# KiCad board poly_kb_molecule_16x5.kicad_pcb (continued)
## Placement (name value [footprint] x y rotation side) (continued)
kibuzzard-61EFD908#2  G***  [kibuzzard-61EFD908]  2.41 77.7 0 top
kibuzzard-61EFD908#3  G***  [kibuzzard-61EFD908]  192.91 77.7 0 top
kibuzzard-61EFD908#4  G***  [kibuzzard-61EFD908]  269.11 77.7 0 top
kibuzzard-61EFD908#5  G***  [kibuzzard-61EFD908]  35.69 20.55 0 top
kibuzzard-61EFD908#6  G***  [kibuzzard-61EFD908]  111.89 58.65 0 top
kibuzzard-61EFD908#7  G***  [kibuzzard-61EFD908]  288.16 20.55 0 top
kibuzzard-61EFD908#8  G***  [kibuzzard-61EFD908]  188.09 58.65 0 top
kibuzzard-61EFD908#9  G***  [kibuzzard-61EFD908]  188.09 39.6 0 top
kibuzzard-61EFD908#10  G***  [kibuzzard-61EFD908]  264.29 20.55 0 top
kibuzzard-61EFD908#11  G***  [kibuzzard-61EFD908]  135.76 20.55 0 top
kibuzzard-61EFD908#12  G***  [kibuzzard-61EFD908]  73.79 58.65 0 top
kibuzzard-61EFD908#13  G***  [kibuzzard-61EFD908]  97.66 1.5 0 top
kibuzzard-61EFD908#14  G***  [kibuzzard-61EFD908]  130.94 1.5 0 top
kibuzzard-61EFD908#15  G***  [kibuzzard-61EFD908]  226.19 1.5 0 top
kibuzzard-61EFD908#16  G***  [kibuzzard-61EFD908]  154.81 1.5 0 top
kibuzzard-61EFD908#17  G***  [kibuzzard-61EFD908]  231.01 1.5 0 top
kibuzzard-61EFD908#18  G***  [kibuzzard-61EFD908]  35.69 77.7 0 top
kibuzzard-61EFD908#19  G***  [kibuzzard-61EFD908]  169.04 77.7 0 top
kibuzzard-61EFD908#20  G***  [kibuzzard-61EFD908]  92.84 39.6 0 top
kibuzzard-61EFD908#21  G***  [kibuzzard-61EFD908]  283.34 58.65 0 top
kibuzzard-61EFD908#22  G***  [kibuzzard-61EFD908]  135.76 58.65 0 top
kibuzzard-61EFD908#23  G***  [kibuzzard-61EFD908]  116.71 1.5 0 top
kibuzzard-61EFD908#24  G***  [kibuzzard-61EFD908]  211.96 1.5 0 top
kibuzzard-61EFD908#25  G***  [kibuzzard-61EFD908]  245.24 1.5 0 top
kibuzzard-61EFD908#26  G***  [kibuzzard-61EFD908]  188.09 1.5 0 top
kibuzzard-61EFD908#27  G***  [kibuzzard-61EFD908]  35.69 39.6 0 top
kibuzzard-61EFD908#28  G***  [kibuzzard-61EFD908]  269.11 39.6 0 top
kibuzzard-61EFD908#29  G***  [kibuzzard-61EFD908]  130.94 77.7 0 top
kibuzzard-61EFD908#30  G***  [kibuzzard-61EFD908]  54.74 20.55 0 top
kibuzzard-61EFD908#31  G***  [kibuzzard-61EFD908]  116.71 58.65 0 top
kibuzzard-61EFD908#32  G***  [kibuzzard-61EFD908]  283.34 1.5 0 top
kibuzzard-61EFD908#33  G***  [kibuzzard-61EFD908]  149.99 77.7 0 top
kibuzzard-61EFD908#34  G***  [kibuzzard-61EFD908]  245.24 58.65 0 top
kibuzzard-61EFD908#35  G***  [kibuzzard-61EFD908]  40.51 77.7 0 top
kibuzzard-61EFD908#36  G***  [kibuzzard-61EFD908]  154.81 58.65 0 top
kibuzzard-61EFD908#37  G***  [kibuzzard-61EFD908]  116.71 20.55 0 top
kibuzzard-61EFD908#38  G***  [kibuzzard-61EFD908]  111.89 39.6 0 top
kibuzzard-61EFD908#39  G***  [kibuzzard-61EFD908]  54.74 39.6 0 top
kibuzzard-61EFD908#40  G***  [kibuzzard-61EFD908]  192.91 20.55 0 top
kibuzzard-61EFD908#41  G***  [kibuzzard-61EFD908]  149.99 39.6 0 top
kibuzzard-61EFD908#42  G***  [kibuzzard-61EFD908]  154.81 20.55 0 top
kibuzzard-61EFD908#43  G***  [kibuzzard-61EFD908]  73.79 77.7 0 top
kibuzzard-61EFD908#44  G***  [kibuzzard-61EFD908]  130.94 58.65 0 top
kibuzzard-61EFD908#45  G***  [kibuzzard-61EFD908]  35.69 1.5 0 top
kibuzzard-61EFD908#46  G***  [kibuzzard-61EFD908]  40.51 39.6 0 top
kibuzzard-61EFD908#47  G***  [kibuzzard-61EFD908]  59.56 58.65 0 top
kibuzzard-61EFD908#48  G***  [kibuzzard-61EFD908]  40.51 20.55 0 top
kibuzzard-61EFD908#49  G***  [kibuzzard-61EFD908]  78.61 39.6 0 top
kibuzzard-61EFD908#50  G***  [kibuzzard-61EFD908]  288.16 1.5 0 top
kibuzzard-61EFD908#51  G***  [kibuzzard-61EFD908]  73.79 20.55 0 top
kibuzzard-61EFD908#52  G***  [kibuzzard-61EFD908]  173.86 77.7 0 top
kibuzzard-61EFD908#53  G***  [kibuzzard-61EFD908]  154.81 77.7 0 top
kibuzzard-61EFD908#54  G***  [kibuzzard-61EFD908]  135.76 77.7 0 top
kibuzzard-61EFD908#55  G***  [kibuzzard-61EFD908]  302.39 58.65 0 top
kibuzzard-61EFD908#56  G***  [kibuzzard-61EFD908]  231.01 39.6 0 top
kibuzzard-61EFD908#57  G***  [kibuzzard-61EFD908]  73.79 1.5 0 top
kibuzzard-61EFD908#58  G***  [kibuzzard-61EFD908]  173.86 1.5 0 top
kibuzzard-61EFD908#59  G***  [kibuzzard-61EFD908]  111.89 77.7 0 top
kibuzzard-61EFD908#60  G***  [kibuzzard-61EFD908]  169.04 39.6 0 top
kibuzzard-61EFD908#61  G***  [kibuzzard-61EFD908]  21.46 1.5 0 top
kibuzzard-61EFD908#62  G***  [kibuzzard-61EFD908]  288.16 58.65 0 top
kibuzzard-61EFD908#63  G***  [kibuzzard-61EFD908]  16.64 58.65 0 top
kibuzzard-61EFD908#64  G***  [kibuzzard-61EFD908]  302.39 20.55 0 top
kibuzzard-61EFD908#65  G***  [kibuzzard-61EFD908]  16.64 1.5 0 top
kibuzzard-61EFD908#66  G***  [kibuzzard-61EFD908]  149.99 1.5 0 top
kibuzzard-61EFD908#67  G***  [kibuzzard-61EFD908]  169.04 1.5 0 top
kibuzzard-61EFD908#68  G***  [kibuzzard-61EFD908]  264.29 77.7 0 top
kibuzzard-61EFD908#69  G***  [kibuzzard-61EFD908]  211.96 20.55 0 top
kibuzzard-61EFD908#70  G***  [kibuzzard-61EFD908]  116.71 77.7 0 top
kibuzzard-61EFD908#71  G***  [kibuzzard-61EFD908]  78.61 58.65 0 top
kibuzzard-61EFD908#72  G***  [kibuzzard-61EFD908]  302.39 39.6 0 top
kibuzzard-61EFD908#73  G***  [kibuzzard-61EFD908]  149.99 58.65 0 top
kibuzzard-61EFD908#74  G***  [kibuzzard-61EFD908]  116.71 39.6 0 top
kibuzzard-61EFD908#75  G***  [kibuzzard-61EFD908]  40.51 58.65 0 top
kibuzzard-61EFD908#76  G***  [kibuzzard-61EFD908]  78.61 1.5 0 top
kibuzzard-61EFD908#77  G***  [kibuzzard-61EFD908]  92.84 58.65 0 top
kibuzzard-61EFD908#78  G***  [kibuzzard-61EFD908]  250.06 58.65 0 top
kibuzzard-61EFD908#79  G***  [kibuzzard-61EFD908]  78.61 77.7 0 top
kibuzzard-61EFD908#80  G***  [kibuzzard-61EFD908]  2.41 20.55 0 top
kibuzzard-61EFD908#81  G***  [kibuzzard-61EFD908]  192.91 58.65 0 top
kibuzzard-61EFD908#82  G***  [kibuzzard-61EFD908]  231.01 20.55 0 top
kibuzzard-61EFD908#83  G***  [kibuzzard-61EFD908]  2.41 39.6 0 top
kibuzzard-61EFD908#84  G***  [kibuzzard-61EFD908]  207.14 1.5 0 top
kibuzzard-61EFD908#85  G***  [kibuzzard-61EFD908]  250.06 39.6 0 top
kibuzzard-61EFD908#86  G***  [kibuzzard-61EFD908]  173.86 58.65 0 top
kibuzzard-61EFD908#87  G***  [kibuzzard-61EFD908]  188.09 77.7 0 top
kibuzzard-61EFD908#88  G***  [kibuzzard-61EFD908]  173.86 20.55 0 top
kibuzzard-61EFD908#89  G***  [kibuzzard-61EFD908]  92.84 77.7 0 top
kibuzzard-61EFD908#90  G***  [kibuzzard-61EFD908]  264.29 39.6 0 top
kibuzzard-61EFD908#91  G***  [kibuzzard-61EFD908]  302.39 77.7 0 top
kibuzzard-61EFD908#92  G***  [kibuzzard-61EFD908]  78.61 20.55 0 top
kibuzzard-61EFD908#93  G***  [kibuzzard-61EFD908]  149.99 20.55 0 top
kibuzzard-61EFD908#94  G***  [kibuzzard-61EFD908]  245.24 39.6 0 top
kibuzzard-61EFD908#95  G***  [kibuzzard-61EFD908]  211.96 58.65 0 top
kibuzzard-61EFD908#96  G***  [kibuzzard-61EFD908]  173.86 39.6 0 top
kibuzzard-61EFD908#97  G***  [kibuzzard-61EFD908]  59.56 1.5 0 top
kibuzzard-61EFD908#98  G***  [kibuzzard-61EFD908]  207.14 77.7 0 top
kibuzzard-61EFD908#99  G***  [kibuzzard-61EFD908]  169.04 58.65 0 top
kibuzzard-61EFD908#100  G***  [kibuzzard-61EFD908]  245.24 20.55 0 top
kibuzzard-61EFD908#101  G***  [kibuzzard-61EFD908]  264.29 58.65 0 top
kibuzzard-61EFD908#102  G***  [kibuzzard-61EFD908]  111.89 20.55 0 top
kibuzzard-61EFD908#103  G***  [kibuzzard-61EFD908]  54.74 58.65 0 top
kibuzzard-61EFD908#104  G***  [kibuzzard-61EFD908]  283.34 77.7 0 top
kibuzzard-61EFD908#105  G***  [kibuzzard-61EFD908]  226.19 20.55 0 top
kibuzzard-61EFD908#106  G***  [kibuzzard-61EFD908]  226.19 39.6 0 top
kibuzzard-61EFD908#107  G***  [kibuzzard-61EFD908]  250.06 1.5 0 top
kibuzzard-61EFD908#108  G***  [kibuzzard-61EFD908]  21.46 39.6 0 top
kibuzzard-61EFD908#109  G***  [kibuzzard-61EFD908]  135.76 1.5 0 top
kibuzzard-61EFD908#110  G***  [kibuzzard-61EFD908]  207.14 58.65 0 top
kibuzzard-61EFD908#111  G***  [kibuzzard-61EFD908]  130.94 20.55 0 top
kibuzzard-61EFD908#112  G***  [kibuzzard-61EFD908]  226.19 77.7 0 top
kibuzzard-61EFD908#113  G***  [kibuzzard-61EFD908]  21.46 58.65 0 top
kibuzzard-61EFD908#114  G***  [kibuzzard-61EFD908]  16.64 20.55 0 top
kibuzzard-61EFD908#115  G***  [kibuzzard-61EFD908]  16.64 77.7 0 top
kibuzzard-61EFD908#116  G***  [kibuzzard-61EFD908]  40.51 1.5 0 top
kibuzzard-61EFD908#117  G***  [kibuzzard-61EFD908]  211.96 77.7 0 top
kibuzzard-61EFD908#118  G***  [kibuzzard-61EFD908]  269.11 58.65 0 top
kibuzzard-61EFD908#119  G***  [kibuzzard-61EFD908]  288.16 39.6 0 top
kibuzzard-61EFD908#120  G***  [kibuzzard-61EFD908]  92.84 20.55 0 top
kibuzzard-61EFD908#121  G***  [kibuzzard-61EFD908]  21.46 20.55 0 top
kibuzzard-61EFD908#122  G***  [kibuzzard-61EFD908]  2.41 58.65 0 top
kibuzzard-61EFD908#123  G***  [kibuzzard-61EFD908]  250.06 20.55 0 top
kibuzzard-61EFD908#124  G***  [kibuzzard-61EFD908]  97.66 20.55 0 top
kibuzzard-61EFD908#125  G***  [kibuzzard-61EFD908]  231.01 77.7 0 top
kibuzzard-61EFD908#126  G***  [kibuzzard-61EFD908]  59.56 39.6 0 top
kibuzzard-61EFD908#127  G***  [kibuzzard-61EFD908]  16.64 39.6 0 top
kibuzzard-61EFD908#128  G***  [kibuzzard-61EFD908]  21.46 77.7 0 top
kibuzzard-61EFD908#129  G***  [kibuzzard-61EFD908]  192.91 39.6 0 top
kibuzzard-61EFD908#130  G***  [kibuzzard-61EFD908]  111.89 1.5 0 top
kibuzzard-61EFD908#131  G***  [kibuzzard-61EFD908]  231.01 58.65 0 top
kibuzzard-61EFD908#132  G***  [kibuzzard-61EFD908]  54.74 1.5 0 top
kibuzzard-61EFD908#133  G***  [kibuzzard-61EFD908]  283.34 20.55 0 top
kibuzzard-61EFD908#134  G***  [kibuzzard-61EFD908]  54.74 77.7 0 top
kibuzzard-61EFD908#135  G***  [kibuzzard-61EFD908]  35.69 58.65 0 top
kibuzzard-61EFD908#136  G***  [kibuzzard-61EFD908]  207.14 20.55 0 top
kibuzzard-61EFD908#137  G***  [kibuzzard-61EFD908]  135.76 39.6 0 top
kibuzzard-61EFD908#138  G***  [kibuzzard-61EFD908]  97.66 77.7 0 top
kibuzzard-61EFD908#139  G***  [kibuzzard-61EFD908]  207.14 39.6 0 top
kibuzzard-61EFD908#140  G***  [kibuzzard-61EFD908]  169.04 20.55 0 top
kibuzzard-61EFD908#141  G***  [kibuzzard-61EFD908]  59.56 77.7 0 top
kibuzzard-61EFD908#142  G***  [kibuzzard-61EFD908]  73.79 39.6 0 top
kibuzzard-61EFD908#143  G***  [kibuzzard-61EFD908]  269.11 1.5 0 top
kibuzzard-61EFD908#144  G***  [kibuzzard-61EFD908]  2.41 1.5 0 top
kibuzzard-61EFD908#145  G***  [kibuzzard-61EFD908]  264.29 1.5 0 top
kibuzzard-61EFD908#146  G***  [kibuzzard-61EFD908]  250.06 77.7 0 top
kibuzzard-61EFD908#147  G***  [kibuzzard-61EFD908]  288.16 77.7 0 top
kibuzzard-61EFD908#148  G***  [kibuzzard-61EFD908]  188.09 20.55 0 top
kibuzzard-61EFD908#149  G***  [kibuzzard-61EFD908]  245.24 77.7 0 top
kibuzzard-61EFD908#150  G***  [kibuzzard-61EFD908]  92.84 1.5 0 top
kibuzzard-61EFD908#151  G***  [kibuzzard-61EFD908]  283.34 39.6 0 top
kibuzzard-61EFD908#152  G***  [kibuzzard-61EFD908]  130.94 39.6 0 top
kibuzzard-61EFD908#153  G***  [kibuzzard-61EFD908]  269.11 20.55 0 top
kibuzzard-61EFD908#154  G***  [kibuzzard-61EFD908]  211.96 39.6 0 top
kibuzzard-61EFD908#155  G***  [kibuzzard-61EFD908]  302.39 1.5 0 top
kibuzzard-61EFD908#156  G***  [kibuzzard-61EFD908]  192.91 1.5 0 top
kibuzzard-61EFD908#157  G***  [kibuzzard-61EFD908]  97.66 58.65 0 top
kibuzzard-61EFD908#158  G***  [kibuzzard-61EFD908]  59.56 20.55 0 top
kibuzzard-61EFD908#159  G***  [kibuzzard-61EFD908]  154.81 39.6 0 top
kibuzzard-61EFD908#160  G***  [kibuzzard-61EFD908]  97.66 39.6 0 top
kibuzzard-61EFD947  G***  [kibuzzard-61EFD947]  250.06 74.7 0 top
kibuzzard-61EFD947#2  G***  [kibuzzard-61EFD947]  188.09 55.65 0 top
kibuzzard-61EFD947#3  G***  [kibuzzard-61EFD947]  35.69 36.6 0 top
kibuzzard-61EFD947#4  G***  [kibuzzard-61EFD947]  97.66 36.6 0 top
kibuzzard-61EFD947#5  G***  [kibuzzard-61EFD947]  116.71 17.55 0 top
kibuzzard-61EFD947#6  G***  [kibuzzard-61EFD947]  207.14 93.75 0 top
kibuzzard-61EFD947#7  G***  [kibuzzard-61EFD947]  283.34 93.75 0 top
kibuzzard-61EFD947#8  G***  [kibuzzard-61EFD947]  231.01 36.6 0 top
kibuzzard-61EFD947#9  G***  [kibuzzard-61EFD947]  211.96 55.65 0 top
kibuzzard-61EFD947#10  G***  [kibuzzard-61EFD947]  111.89 74.7 0 top
kibuzzard-61EFD947#11  G***  [kibuzzard-61EFD947]  226.19 74.7 0 top
kibuzzard-61EFD947#12  G***  [kibuzzard-61EFD947]  16.64 36.6 0 top
kibuzzard-61EFD947#13  G***  [kibuzzard-61EFD947]  226.19 36.6 0 top
kibuzzard-61EFD947#14  G***  [kibuzzard-61EFD947]  231.01 74.7 0 top
kibuzzard-61EFD947#15  G***  [kibuzzard-61EFD947]  173.86 93.75 0 top
kibuzzard-61EFD947#16  G***  [kibuzzard-61EFD947]  245.24 17.55 0 top
kibuzzard-61EFD947#17  G***  [kibuzzard-61EFD947]  269.11 93.75 0 top
kibuzzard-61EFD947#18  G***  [kibuzzard-61EFD947]  283.34 36.6 0 top
kibuzzard-61EFD947#19  G***  [kibuzzard-61EFD947]  40.51 17.55 0 top
kibuzzard-61EFD947#20  G***  [kibuzzard-61EFD947]  130.94 17.55 0 top
kibuzzard-61EFD947#21  G***  [kibuzzard-61EFD947]  78.61 36.6 0 top
kibuzzard-61EFD947#22  G***  [kibuzzard-61EFD947]  154.81 17.55 0 top
kibuzzard-61EFD947#23  G***  [kibuzzard-61EFD947]  78.61 74.7 0 top
kibuzzard-61EFD947#24  G***  [kibuzzard-61EFD947]  154.81 36.6 0 top
kibuzzard-61EFD947#25  G***  [kibuzzard-61EFD947]  111.89 55.65 0 top
kibuzzard-61EFD947#26  G***  [kibuzzard-61EFD947]  226.19 17.55 0 top
kibuzzard-61EFD947#27  G***  [kibuzzard-61EFD947]  40.51 36.6 0 top
kibuzzard-61EFD947#28  G***  [kibuzzard-61EFD947]  59.56 93.75 0 top
kibuzzard-61EFD947#29  G***  [kibuzzard-61EFD947]  226.19 93.75 0 top
kibuzzard-61EFD947#30  G***  [kibuzzard-61EFD947]  135.76 17.55 0 top
kibuzzard-61EFD947#31  G***  [kibuzzard-61EFD947]  245.24 93.75 0 top
kibuzzard-61EFD947#32  G***  [kibuzzard-61EFD947]  269.11 17.55 0 top
kibuzzard-61EFD947#33  G***  [kibuzzard-61EFD947]  169.04 17.55 0 top
kibuzzard-61EFD947#34  G***  [kibuzzard-61EFD947]  302.39 17.55 0 top
kibuzzard-61EFD947#35  G***  [kibuzzard-61EFD947]  192.91 93.75 0 top
kibuzzard-61EFD947#36  G***  [kibuzzard-61EFD947]  54.74 17.55 0 top
kibuzzard-61EFD947#37  G***  [kibuzzard-61EFD947]  288.16 17.55 0 top
kibuzzard-61EFD947#38  G***  [kibuzzard-61EFD947]  269.11 55.65 0 top
kibuzzard-61EFD947#39  G***  [kibuzzard-61EFD947]  35.69 55.65 0 top
kibuzzard-61EFD947#40  G***  [kibuzzard-61EFD947]  78.61 17.55 0 top
kibuzzard-61EFD947#41  G***  [kibuzzard-61EFD947]  40.51 93.75 0 top
kibuzzard-61EFD947#42  G***  [kibuzzard-61EFD947]  149.99 36.6 0 top
kibuzzard-61EFD947#43  G***  [kibuzzard-61EFD947]  78.61 93.75 0 top
kibuzzard-61EFD947#44  G***  [kibuzzard-61EFD947]  59.56 55.65 0 top
kibuzzard-61EFD947#45  G***  [kibuzzard-61EFD947]  192.91 74.7 0 top
kibuzzard-61EFD947#46  G***  [kibuzzard-61EFD947]  116.71 93.75 0 top
kibuzzard-61EFD947#47  G***  [kibuzzard-61EFD947]  302.39 93.75 0 top
kibuzzard-61EFD947#48  G***  [kibuzzard-61EFD947]  40.51 74.7 0 top
kibuzzard-61EFD947#49  G***  [kibuzzard-61EFD947]  97.66 93.75 0 top
kibuzzard-61EFD947#50  G***  [kibuzzard-61EFD947]  231.01 17.55 0 top
kibuzzard-61EFD947#51  G***  [kibuzzard-61EFD947]  188.09 36.6 0 top
kibuzzard-61EFD947#52  G***  [kibuzzard-61EFD947]  264.29 93.75 0 top
kibuzzard-61EFD947#53  G***  [kibuzzard-61EFD947]  154.81 93.75 0 top
kibuzzard-61EFD947#54  G***  [kibuzzard-61EFD947]  288.16 74.7 0 top
kibuzzard-61EFD947#55  G***  [kibuzzard-61EFD947]  2.41 36.6 0 top
kibuzzard-61EFD947#56  G***  [kibuzzard-61EFD947]  250.06 36.6 0 top
kibuzzard-61EFD947#57  G***  [kibuzzard-61EFD947]  288.16 36.6 0 top
kibuzzard-61EFD947#58  G***  [kibuzzard-61EFD947]  302.39 55.65 0 top
kibuzzard-61EFD947#59  G***  [kibuzzard-61EFD947]  21.46 17.55 0 top
kibuzzard-61EFD947#60  G***  [kibuzzard-61EFD947]  188.09 17.55 0 top
kibuzzard-61EFD947#61  G***  [kibuzzard-61EFD947]  16.64 55.65 0 top
kibuzzard-61EFD947#62  G***  [kibuzzard-61EFD947]  73.79 17.55 0 top
kibuzzard-61EFD947#63  G***  [kibuzzard-61EFD947]  21.46 36.6 0 top
kibuzzard-61EFD947#64  G***  [kibuzzard-61EFD947]  16.64 74.7 0 top
kibuzzard-61EFD947#65  G***  [kibuzzard-61EFD947]  78.61 55.65 0 top
kibuzzard-61EFD947#66  G***  [kibuzzard-61EFD947]  135.76 55.65 0 top
kibuzzard-61EFD947#67  G***  [kibuzzard-61EFD947]  35.69 93.75 0 top
kibuzzard-61EFD947#68  G***  [kibuzzard-61EFD947]  130.94 55.65 0 top
kibuzzard-61EFD947#69  G***  [kibuzzard-61EFD947]  211.96 74.7 0 top
kibuzzard-61EFD947#70  G***  [kibuzzard-61EFD947]  59.56 17.55 0 top
kibuzzard-61EFD947#71  G***  [kibuzzard-61EFD947]  16.64 93.75 0 top
kibuzzard-61EFD947#72  G***  [kibuzzard-61EFD947]  245.24 74.7 0 top
kibuzzard-61EFD947#73  G***  [kibuzzard-61EFD947]  97.66 74.7 0 top
kibuzzard-61EFD947#74  G***  [kibuzzard-61EFD947]  73.79 36.6 0 top
kibuzzard-61EFD947#75  G***  [kibuzzard-61EFD947]  130.94 93.75 0 top
kibuzzard-61EFD947#76  G***  [kibuzzard-61EFD947]  40.51 55.65 0 top
kibuzzard-61EFD947#77  G***  [kibuzzard-61EFD947]  21.46 74.7 0 top
kibuzzard-61EFD947#78  G***  [kibuzzard-61EFD947]  92.84 74.7 0 top
kibuzzard-61EFD947#79  G***  [kibuzzard-61EFD947]  192.91 17.55 0 top
kibuzzard-61EFD947#80  G***  [kibuzzard-61EFD947]  302.39 36.6 0 top
kibuzzard-61EFD947#81  G***  [kibuzzard-61EFD947]  111.89 93.75 0 top
kibuzzard-61EFD947#82  G***  [kibuzzard-61EFD947]  188.09 93.75 0 top
kibuzzard-61EFD947#83  G***  [kibuzzard-61EFD947]  16.64 17.55 0 top
kibuzzard-61EFD947#84  G***  [kibuzzard-61EFD947]  264.29 36.6 0 top
kibuzzard-61EFD947#85  G***  [kibuzzard-61EFD947]  169.04 36.6 0 top
kibuzzard-61EFD947#86  G***  [kibuzzard-61EFD947]  288.16 93.75 0 top
kibuzzard-61EFD947#87  G***  [kibuzzard-61EFD947]  169.04 74.7 0 top
kibuzzard-61EFD947#88  G***  [kibuzzard-61EFD947]  173.86 17.55 0 top
kibuzzard-61EFD947#89  G***  [kibuzzard-61EFD947]  269.11 74.7 0 top
kibuzzard-61EFD947#90  G***  [kibuzzard-61EFD947]  188.09 74.7 0 top
kibuzzard-61EFD947#91  G***  [kibuzzard-61EFD947]  231.01 93.75 0 top
kibuzzard-61EFD947#92  G***  [kibuzzard-61EFD947]  35.69 74.7 0 top
kibuzzard-61EFD947#93  G***  [kibuzzard-61EFD947]  59.56 74.7 0 top
kibuzzard-61EFD947#94  G***  [kibuzzard-61EFD947]  302.39 74.7 0 top
kibuzzard-61EFD947#95  G***  [kibuzzard-61EFD947]  92.84 93.75 0 top
kibuzzard-61EFD947#96  G***  [kibuzzard-61EFD947]  149.99 55.65 0 top
kibuzzard-61EFD947#97  G***  [kibuzzard-61EFD947]  21.46 55.65 0 top
kibuzzard-61EFD947#98  G***  [kibuzzard-61EFD947]  231.01 55.65 0 top
kibuzzard-61EFD947#99  G***  [kibuzzard-61EFD947]  116.71 36.6 0 top
kibuzzard-61EFD947#100  G***  [kibuzzard-61EFD947]  73.79 74.7 0 top
kibuzzard-61EFD947#101  G***  [kibuzzard-61EFD947]  250.06 93.75 0 top
kibuzzard-61EFD947#102  G***  [kibuzzard-61EFD947]  111.89 36.6 0 top
kibuzzard-61EFD947#103  G***  [kibuzzard-61EFD947]  192.91 36.6 0 top
kibuzzard-61EFD947#104  G***  [kibuzzard-61EFD947]  116.71 74.7 0 top
kibuzzard-61EFD947#105  G***  [kibuzzard-61EFD947]  2.41 17.55 0 top
kibuzzard-61EFD947#106  G***  [kibuzzard-61EFD947]  2.41 55.65 0 top
kibuzzard-61EFD947#107  G***  [kibuzzard-61EFD947]  288.16 55.65 0 top
kibuzzard-61EFD947#108  G***  [kibuzzard-61EFD947]  211.96 17.55 0 top
kibuzzard-61EFD947#109  G***  [kibuzzard-61EFD947]  245.24 55.65 0 top
kibuzzard-61EFD947#110  G***  [kibuzzard-61EFD947]  54.74 74.7 0 top
kibuzzard-61EFD947#111  G***  [kibuzzard-61EFD947]  283.34 55.65 0 top
kibuzzard-61EFD947#112  G***  [kibuzzard-61EFD947]  130.94 36.6 0 top
kibuzzard-61EFD947#113  G***  [kibuzzard-61EFD947]  149.99 74.7 0 top
kibuzzard-61EFD947#114  G***  [kibuzzard-61EFD947]  135.76 36.6 0 top
kibuzzard-61EFD947#115  G***  [kibuzzard-61EFD947]  154.81 55.65 0 top
kibuzzard-61EFD947#116  G***  [kibuzzard-61EFD947]  135.76 74.7 0 top
kibuzzard-61EFD947#117  G***  [kibuzzard-61EFD947]  59.56 36.6 0 top
kibuzzard-61EFD947#118  G***  [kibuzzard-61EFD947]  54.74 55.65 0 top
kibuzzard-61EFD947#119  G***  [kibuzzard-61EFD947]  192.91 55.65 0 top
kibuzzard-61EFD947#120  G***  [kibuzzard-61EFD947]  35.69 17.55 0 top
kibuzzard-61EFD947#121  G***  [kibuzzard-61EFD947]  245.24 36.6 0 top
kibuzzard-61EFD947#122  G***  [kibuzzard-61EFD947]  250.06 55.65 0 top
kibuzzard-61EFD947#123  G***  [kibuzzard-61EFD947]  211.96 93.75 0 top
kibuzzard-61EFD947#124  G***  [kibuzzard-61EFD947]  173.86 36.6 0 top
kibuzzard-61EFD947#125  G***  [kibuzzard-61EFD947]  264.29 55.65 0 top
kibuzzard-61EFD947#126  G***  [kibuzzard-61EFD947]  97.66 55.65 0 top
kibuzzard-61EFD947#127  G***  [kibuzzard-61EFD947]  111.89 17.55 0 top
kibuzzard-61EFD947#128  G***  [kibuzzard-61EFD947]  54.74 36.6 0 top
kibuzzard-61EFD947#129  G***  [kibuzzard-61EFD947]  264.29 17.55 0 top
kibuzzard-61EFD947#130  G***  [kibuzzard-61EFD947]  207.14 55.65 0 top
kibuzzard-61EFD947#131  G***  [kibuzzard-61EFD947]  250.06 17.55 0 top
kibuzzard-61EFD947#132  G***  [kibuzzard-61EFD947]  283.34 17.55 0 top
kibuzzard-61EFD947#133  G***  [kibuzzard-61EFD947]  226.19 55.65 0 top
kibuzzard-61EFD947#134  G***  [kibuzzard-61EFD947]  97.66 17.55 0 top
kibuzzard-61EFD947#135  G***  [kibuzzard-61EFD947]  211.96 36.6 0 top
kibuzzard-61EFD947#136  G***  [kibuzzard-61EFD947]  2.41 93.75 0 top
kibuzzard-61EFD947#137  G***  [kibuzzard-61EFD947]  116.71 55.65 0 top
kibuzzard-61EFD947#138  G***  [kibuzzard-61EFD947]  173.86 55.65 0 top
kibuzzard-61EFD947#139  G***  [kibuzzard-61EFD947]  149.99 93.75 0 top
kibuzzard-61EFD947#140  G***  [kibuzzard-61EFD947]  92.84 36.6 0 top
kibuzzard-61EFD947#141  G***  [kibuzzard-61EFD947]  283.34 74.7 0 top
kibuzzard-61EFD947#142  G***  [kibuzzard-61EFD947]  207.14 36.6 0 top
kibuzzard-61EFD947#143  G***  [kibuzzard-61EFD947]  269.11 36.6 0 top
kibuzzard-61EFD947#144  G***  [kibuzzard-61EFD947]  149.99 17.55 0 top
kibuzzard-61EFD947#145  G***  [kibuzzard-61EFD947]  73.79 55.65 0 top
kibuzzard-61EFD947#146  G***  [kibuzzard-61EFD947]  92.84 55.65 0 top
kibuzzard-61EFD947#147  G***  [kibuzzard-61EFD947]  264.29 74.7 0 top
kibuzzard-61EFD947#148  G***  [kibuzzard-61EFD947]  207.14 74.7 0 top
kibuzzard-61EFD947#149  G***  [kibuzzard-61EFD947]  54.74 93.75 0 top
kibuzzard-61EFD947#150  G***  [kibuzzard-61EFD947]  2.41 74.7 0 top
kibuzzard-61EFD947#151  G***  [kibuzzard-61EFD947]  73.79 93.75 0 top
kibuzzard-61EFD947#152  G***  [kibuzzard-61EFD947]  92.84 17.55 0 top
kibuzzard-61EFD947#153  G***  [kibuzzard-61EFD947]  21.46 93.75 0 top
kibuzzard-61EFD947#154  G***  [kibuzzard-61EFD947]  154.81 74.7 0 top
kibuzzard-61EFD947#155  G***  [kibuzzard-61EFD947]  169.04 55.65 0 top
kibuzzard-61EFD947#156  G***  [kibuzzard-61EFD947]  135.76 93.75 0 top
kibuzzard-61EFD947#157  G***  [kibuzzard-61EFD947]  169.04 93.75 0 top
kibuzzard-61EFD947#158  G***  [kibuzzard-61EFD947]  173.86 74.7 0 top
kibuzzard-61EFD947#159  G***  [kibuzzard-61EFD947]  130.94 74.7 0 top
kibuzzard-61EFD947#160  G***  [kibuzzard-61EFD947]  207.14 17.55 0 top
kibuzzard-61EFDAA0  G***  [kibuzzard-61EFDAA0]  288.52 49.61 0 top
kibuzzard-61EFDAA0#2  G***  [kibuzzard-61EFDAA0]  136.12 11.51 0 top
kibuzzard-61EFDAA0#3  G***  [kibuzzard-61EFDAA0]  231.37 87.71 0 top
kibuzzard-61EFDAA0#4  G***  [kibuzzard-61EFDAA0]  21.82 30.56 0 top
kibuzzard-61EFDAA0#5  G***  [kibuzzard-61EFDAA0]  117.07 11.51 0 top
kibuzzard-61EFDAA0#6  G***  [kibuzzard-61EFDAA0]  136.12 68.66 0 top
kibuzzard-61EFDAA0#7  G***  [kibuzzard-61EFDAA0]  98.02 49.61 0 top
kibuzzard-61EFDAA0#8  G***  [kibuzzard-61EFDAA0]  250.42 11.51 0 top
kibuzzard-61EFDAA0#9  G***  [kibuzzard-61EFDAA0]  40.87 68.66 0 top
kibuzzard-61EFDAA0#10  G***  [kibuzzard-61EFDAA0]  21.82 11.51 0 top
kibuzzard-61EFDAA0#11  G***  [kibuzzard-61EFDAA0]  212.32 49.61 0 top
kibuzzard-61EFDAA0#12  G***  [kibuzzard-61EFDAA0]  155.17 30.56 0 top
kibuzzard-61EFDAA0#13  G***  [kibuzzard-61EFDAA0]  174.22 11.51 0 top
kibuzzard-61EFDAA0#14  G***  [kibuzzard-61EFDAA0]  98.02 11.51 0 top
kibuzzard-61EFDAA0#15  G***  [kibuzzard-61EFDAA0]  59.92 11.51 0 top
kibuzzard-61EFDAA0#16  G***  [kibuzzard-61EFDAA0]  2.77 11.51 0 top
kibuzzard-61EFDAA0#17  G***  [kibuzzard-61EFDAA0]  40.87 30.56 0 top
kibuzzard-61EFDAA0#18  G***  [kibuzzard-61EFDAA0]  98.02 87.71 0 top
kibuzzard-61EFDAA0#19  G***  [kibuzzard-61EFDAA0]  288.52 30.56 0 top
kibuzzard-61EFDAA0#20  G***  [kibuzzard-61EFDAA0]  78.97 87.71 0 top
kibuzzard-61EFDAA0#21  G***  [kibuzzard-61EFDAA0]  193.27 49.61 0 top
kibuzzard-61EFDAA0#22  G***  [kibuzzard-61EFDAA0]  117.07 30.56 0 top
kibuzzard-61EFDAA0#23  G***  [kibuzzard-61EFDAA0]  136.12 30.56 0 top
kibuzzard-61EFDAA0#24  G***  [kibuzzard-61EFDAA0]  250.42 30.56 0 top
kibuzzard-61EFDAA0#25  G***  [kibuzzard-61EFDAA0]  59.92 49.61 0 top
kibuzzard-61EFDAA0#26  G***  [kibuzzard-61EFDAA0]  40.87 87.71 0 top
kibuzzard-61EFDAA0#27  G***  [kibuzzard-61EFDAA0]  193.27 11.51 0 top
kibuzzard-61EFDAA0#28  G***  [kibuzzard-61EFDAA0]  155.17 49.61 0 top
kibuzzard-61EFDAA0#29  G***  [kibuzzard-61EFDAA0]  98.02 30.56 0 top
kibuzzard-61EFDAA0#30  G***  [kibuzzard-61EFDAA0]  269.47 49.61 0 top
kibuzzard-61EFDAA0#31  G***  [kibuzzard-61EFDAA0]  174.22 30.56 0 top
kibuzzard-61EFDAA0#32  G***  [kibuzzard-61EFDAA0]  174.22 87.71 0 top
kibuzzard-61EFDAA0#33  G***  [kibuzzard-61EFDAA0]  155.17 87.71 0 top
kibuzzard-61EFDAA0#34  G***  [kibuzzard-61EFDAA0]  288.52 11.51 0 top
kibuzzard-61EFDAA0#35  G***  [kibuzzard-61EFDAA0]  174.22 68.66 0 top
kibuzzard-61EFDAA0#36  G***  [kibuzzard-61EFDAA0]  212.32 68.66 0 top
kibuzzard-61EFDAA0#37  G***  [kibuzzard-61EFDAA0]  117.07 68.66 0 top
kibuzzard-61EFDAA0#38  G***  [kibuzzard-61EFDAA0]  40.87 49.61 0 top
kibuzzard-61EFDAA0#39  G***  [kibuzzard-61EFDAA0]  155.17 11.51 0 top
kibuzzard-61EFDAA0#40  G***  [kibuzzard-61EFDAA0]  78.97 11.51 0 top
kibuzzard-61EFDAA0#41  G***  [kibuzzard-61EFDAA0]  250.42 68.66 0 top
